# Altium PCB GameBoard_V1I1.PcbDoc (part 2 of 22) (continued)
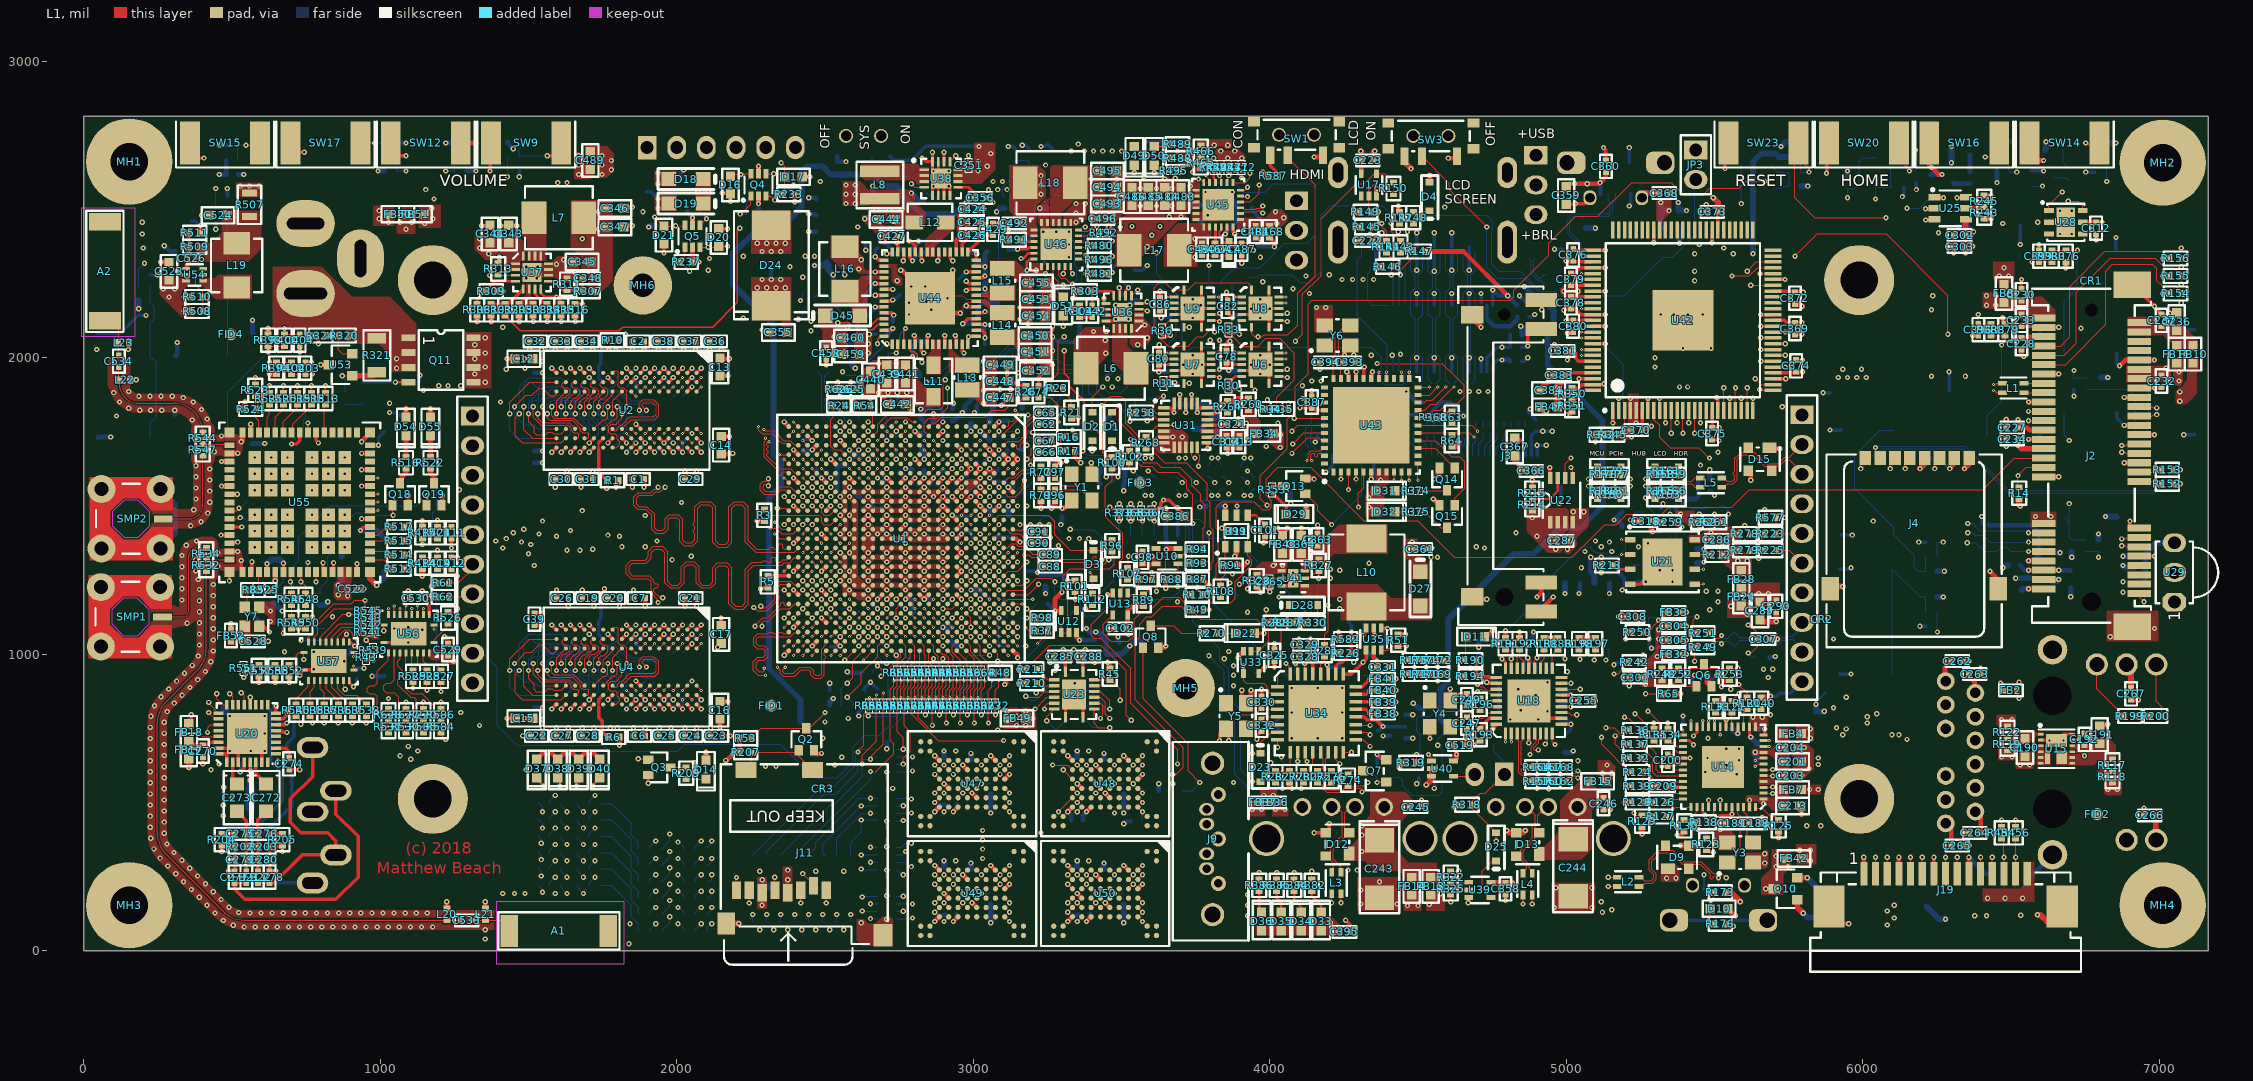
[diagram p0: L1 view]
## Classes and differential pairs (continued)
differential pair USBCh_OTG_L: +USBCh_OTG_L_P -USBCh_OTG_L_N
differential pair USBCh_OTG: +USBCh_OTG_P -USBCh_OTG_N

## Components (designator, comment, footprint, x,y, rotation, side; value= is the part's Value field where it differs from the comment)
A1 "W3006" W3006 1602.36,66.93 r0 top
A2 "W3006" W3006 70.87,2291.34 r90 top
BAT1 "PRT-13855" "LI-ION BAT" 1909.45,2740.16 r0 bottom
C1 "220n" C0402 1870.08,1590.55 r0 top value=220nF
C2 "220n" C0402 1870.08,2055.12 r0 top value=220nF
C3 "220n" C0402 1870.08,2055.12 r0 bottom value=220nF
C4 "220n" C0402 1870.08,1590.55 r0 bottom value=220nF
C5 "100n" C0402 2425.2,1704.72 r270 bottom value=100nF
C6 "220n" C0402 1874.02,724.41 r0 top value=220nF
C7 "220n" C0402 1874.02,1188.98 r0 top value=220nF
C8 "220n" C0402 1874.02,724.41 r0 bottom value=220nF
C9 "220n" C0402 1874.02,1188.98 r0 bottom value=220nF
C10 "100n" C0402 2523.62,673.23 r90 bottom value=100nF
C11 "10u" C0603 2571.64,718.5 r90 bottom value=10µF
C12 "22u" C0603 1484.25,1996.06 r180 top
C13 "22u" C0603 2145.67,1968.5 r90 top
C14 "22u" C0603 2149.61,1704.72 r90 top
C15 "22u" C0603 1484.25,783.46 r180 top
C16 "22u" C0603 2145.67,811.02 r270 top
C17 "22u" C0603 2149.61,1066.93 r270 top
C18 "100n" C0402 2523.62,751.97 r90 bottom value=100nF
C19 "220n" C0402 1700.79,1188.98 r180 top value=220nF
C20 "220n" C0402 1787.4,1188.98 r0 top value=220nF
C21 "220n" C0402 2047.24,1188.98 r0 top value=220nF
C22 "220n" C0402 1527.56,724.41 r180 top value=220nF
C23 "220n" C0402 2133.86,724.41 r0 top value=220nF
C24 "220n" C0402 2047.24,724.41 r0 top value=220nF
C25 "220n" C0402 1960.63,724.41 r0 top value=220nF
C26 "220n" C0402 1614.17,1188.98 r180 top value=220nF
C27 "220n" C0402 1614.17,724.41 r180 top value=220nF
C28 "220n" C0402 1700.79,724.41 r180 top value=220nF
C29 "220n" C0402 2047.24,1590.55 r0 top value=220nF
C30 "220n" C0402 1610.24,1590.55 r180 top value=220nF
C31 "220n" C0402 1696.85,1590.55 r180 top value=220nF
C32 "220n" C0402 1523.62,2055.12 r180 top value=220nF
C33 "220n" C0402 1610.24,2055.12 r180 top value=220nF
C34 "220n" C0402 1696.85,2055.12 r180 top value=220nF
C35 "220n" C0402 1519.69,1968.5 r90 bottom value=220nF
C36 "220n" C0402 2129.92,2055.12 r0 top value=220nF
C37 "220n" C0402 2043.31,2055.12 r0 top value=220nF
C38 "220n" C0402 1956.69,2055.12 r0 top value=220nF
C39 "220n" C0402 1519.69,1118.11 r90 top value=220nF
C40 "220n" C0402 1519.69,799.21 r270 bottom value=220nF
C41 "220n" C0402 1614.17,1188.98 r180 bottom value=220nF
C42 "220n" C0402 1700.79,1188.98 r180 bottom value=220nF
C43 "220n" C0402 2047.24,1188.98 r0 bottom value=220nF
C44 "220n" C0402 2133.86,724.41 r0 bottom value=220nF
C45 "220n" C0402 2047.24,724.41 r0 bottom value=220nF
C46 "220n" C0402 1960.63,724.41 r0 bottom value=220nF
C47 "220n" C0402 1700.79,724.41 r180 bottom value=220nF
C48 "220n" C0402 1614.17,724.41 r180 bottom value=220nF
C49 "220n" C0402 1519.69,1665.35 r270 bottom value=220nF
C50 "220n" C0402 1610.24,2055.12 r180 bottom value=220nF
C51 "220n" C0402 1696.85,2055.12 r180 bottom value=220nF
C52 "220n" C0402 1956.69,2055.12 r0 bottom value=220nF
C53 "220n" C0402 2043.31,2055.12 r0 bottom value=220nF
C54 "220n" C0402 2129.92,2055.12 r0 bottom value=220nF
C55 "220n" C0402 1783.46,1590.55 r0 bottom value=220nF
C56 "220n" C0402 2047.24,1590.55 r0 bottom value=220nF
C57 "220n" C0402 1696.85,1590.55 r180 bottom value=220nF
C58 "220n" C0402 1610.24,1590.55 r180 bottom value=220nF
C59 "220n" C0201 2940.95,1562.99 r270 bottom
C60 "4u7" C0402 3086.61,1866.93 r0 bottom
C61 "220n" C0201 2980.32,1562.99 r270 bottom
C62 "100n" C0402 3244.09,1775.59 r0 top value=100nF
C63 "4u7" C0402 3177.17,1767.72 r90 bottom
C64 "220n" C0201 2992.13,1602.36 r0 bottom
C65 "100n" C0402 3244.09,1814.96 r0 top value=100nF
C66 "100n" C0402 3244.09,1681.1 r0 top value=100nF
C67 "100n" C0402 3244.09,1720.47 r0 top value=100nF
C68 "10u" C0603 3149.61,1468.5 r0 bottom value=10µF
C69 "220n" C0201 3003.94,1562.99 r90 bottom
C70 "220n" C0201 2992.13,1511.81 r180 bottom
C71 "220n" C0201 2992.13,1488.19 r180 bottom
C72 "4u7" C0402 2846.46,1783.46 r180 bottom
C73 "220n" C0201 2814.96,1562.99 r270 bottom
C74 "100n" C0402 3220.47,1885.83 r90 top value=100nF
C75 "4u7" C0402 2846.46,1744.09 r180 bottom
C76 "220n" C0201 2791.34,1562.99 r270 bottom
C77 "10n" C0402 3897.64,1937.01 r270 bottom value=10nF
C78 "100n" C0402 3854.33,2003.94 r90 top value=100nF
C79 "10n" C0402 3653.54,1933.07 r270 bottom value=10nF
C80 "100n" C0402 3625.98,1996.06 r90 top value=100nF
C81 "10n" C0402 3897.64,2122.05 r270 bottom value=10nF
C82 "100n" C0402 3858.27,2173.23 r90 top value=100nF
C83 "4u7" C0402 2618.11,1551.18 r270 bottom
C84 "220n" C0201 2574.8,1625.98 r90 bottom
C85 "10n" C0402 3665.35,2118.11 r270 bottom value=10nF
C86 "100n" C0402 3629.92,2181.1 r90 top value=100nF
C87 "220n" C0201 2996.06,1405.51 r270 bottom
C88 "10n" C0402 3259.84,1295.28 r0 top value=10nF
C89 "10n" C0402 3259.84,1334.65 r0 top value=10nF
C90 "10n" C0402 3220.47,1374.02 r0 top value=10nF
C91 "10n" C0402 3220.47,1413.39 r0 top value=10nF
C92 "4u7" C0402 3244.09,1248.03 r90 bottom
C93 "220n" C0201 2929.13,1425.2 r180 bottom
C94 "18p" C0201 3137.8,1555.12 r90 bottom
C95 "18p" C0201 3118.11,1519.69 r180 bottom
C96 "18p" C0402 3275.59,1535.43 r270 top value=18pF
C97 "18p" C0402 3275.59,1614.17 r90 top value=18pF
C98 "100n" C0402 3570.87,1326.77 r90 top value=100nF
C99 "100n" C0402 3807.09,1500 r180 bottom value=100nF
C100 "100n" C0402 3299.21,1248.03 r90 bottom value=100nF
C101 "100n" C0402 3984.25,1417.32 r270 top value=100nF
C102 "100n" C0402 3496.06,1086.61 r180 top value=100nF
C103 "220n" C0201 2688.98,1318.9 r270 bottom
C104 "220n" C0201 2814.96,1318.9 r270 bottom
C105 "220n" C0201 2877.95,1318.9 r270 bottom
C106 "220n" C0201 2791.34,1318.9 r270 bottom
C107 "220n" C0201 2854.33,1318.9 r270 bottom
C108 "220n" C0201 2917.32,1318.9 r270 bottom
C109 "22u" C0603_SMALL 2929.13,1374.02 r0 bottom locked
C110 "220n" C0201 2854.33,1429.13 r90 bottom
C111 "220n" C0201 2877.95,1429.13 r90 bottom
C112 "220n" C0201 2688.98,1437.01 r90 bottom
C113 "220n" C0201 2803.15,1425.2 r0 bottom
C114 "22u" C0603_SMALL 2826.77,1374.02 r180 bottom
C115 "220n" C0201 2791.34,1515.75 r270 bottom
C116 "220n" C0201 2814.96,1515.75 r270 bottom
C117 "220n" C0201 2688.98,1531.5 r90 bottom
C118 "220n" C0201 2665.35,1531.5 r90 bottom
C119 "22u" C0603_SMALL 2740.16,1547.24 r90 bottom
C120 "220n" C0201 2854.33,1476.38 r90 bottom
C121 "220n" C0201 2877.95,1476.38 r90 bottom
C122 "220n" C0201 2803.15,1480.32 r0 bottom
C123 "220n" C0201 2688.98,1484.25 r90 bottom
C124 "22u" C0603_SMALL 2740.16,1444.88 r270 bottom
C125 "220n" C0201 2625.98,1318.9 r270 bottom
C126 "220n" C0201 2625.98,1433.07 r90 bottom
C127 "220n" C0201 2625.98,1480.32 r270 bottom
C128 "220n" C0201 2665.35,1318.9 r270 bottom
C129 "220n" C0201 2665.35,1437.01 r90 bottom
C130 "220n" C0201 2665.35,1484.25 r270 bottom
C131 "22u" C0603_SMALL 2657.48,1374.02 r0 bottom
C132 "220n" C0201 2854.33,1271.65 r90 bottom
C133 "220n" C0201 2814.96,1271.65 r90 bottom
C134 "220n" C0201 2688.98,1271.65 r270 bottom
C135 "220n" C0201 2625.98,1271.65 r270 bottom
C136 "220n" C0201 2917.32,1271.65 r90 bottom
C137 "220n" C0201 2877.95,1271.65 r90 bottom
C138 "220n" C0201 2791.34,1271.65 r90 bottom
C139 "220n" C0201 2665.35,1271.65 r270 bottom
C140 "22u" C0603_SMALL 2740.16,1342.52 r90 bottom
C141 "22u" C0603_SMALL 2929.13,1066.93 r270 bottom
C142 "22u" C0603_SMALL 3078.74,1185.04 r0 bottom
C143 "220n" C0201 2791.34,1224.41 r270 bottom
C144 "220n" C0201 2814.96,1224.41 r270 bottom
C145 "220n" C0201 2854.33,1224.41 r270 bottom
C146 "220n" C0201 2877.95,1224.41 r270 bottom
C147 "220n" C0201 2917.32,1216.54 r270 bottom
C148 "22u" C0603_SMALL 2740.16,1240.16 r270 bottom
C149 "220n" C0201 2917.32,1562.99 r90 bottom
C150 "22u" C0603 3216.54,1350.39 r180 bottom
C151 "220n" C0201 2803.15,1448.82 r0 bottom
C152 "10n" C0201 2929.13,1488.19 r0 bottom
C153 "220n" C0201 2866.14,1511.81 r180 bottom
C154 "22u" C0603 2992.13,1748.03 r270 bottom
C155 "220n" C0201 2929.13,1448.82 r180 bottom
C156 "220n" C0201 2929.13,1511.81 r0 bottom
C157 "220n" C0201 2740.16,1165.35 r0 bottom
C158 "220n" C0201 2740.16,1614.17 r180 bottom
C159 "220n" C0201 2866.14,1185.04 r0 bottom
C160 "220n" C0201 2803.15,1185.04 r0 bottom
C161 "22u" C0603 3149.61,1279.53 r0 bottom
C162 "22u" C0603 2830.71,1141.73 r0 bottom
C163 "220n" C0201 2854.33,1562.99 r270 bottom
C164 "220n" C0201 3098.43,1582.68 r0 bottom
C165 "22u" C0603 3114.17,1625.98 r0 bottom
C166 "220n" C0201 2657.48,1153.54 r270 bottom
C167 "22u" C0603 3318.9,980.31 r180 bottom
C168 "220n" C0201 2940.95,1216.54 r270 bottom
C169 "220n" C0402 3429.13,1047.24 r180 bottom value=220nF
C170 "220n" C0201 2877.95,1562.99 r270 bottom
C171 "220n" C0201 2688.98,1224.41 r90 bottom
C172 "220n" C0201 2602.36,1318.9 r270 bottom
C173 "220n" C0201 2602.36,1271.65 r270 bottom
C174 "220n" C0201 2582.68,1488.19 r180 bottom
C175 "220n" C0201 2562.99,1216.54 r270 bottom
C176 "220n" C0201 2665.35,1224.41 r90 bottom
C177 "220n" C0201 2940.95,1271.65 r90 bottom
C178 "220n" C0201 2940.95,1318.9 r270 bottom
C179 "220n" C0201 2677.17,1574.8 r180 bottom
C180 "220n" C0201 2551.18,1551.18 r180 bottom
C181 "220n" C0201 2582.68,1448.82 r180 bottom
C182 "220n" C0201 2582.68,1425.2 r180 bottom
C183 "220n" C0201 2578.74,1311.02 r270 bottom
C184 "220n" C0201 2614.17,1236.22 r180 bottom
C185 "22u" C0603_SMALL 2555.12,1374.02 r180 bottom
C186 "22u" C0603_SMALL 2614.17,1169.29 r270 bottom
C187 "220n" C0201 2996.06,1342.52 r90 bottom
C188 "22pF" C0402 5637.8,429.13 r0 top
C189 "22pF" C0402 5559.06,429.13 r180 top
C190 "10u" C0603 6547.24,685.04 r270 top value=10µF
C191 "10u" C0603 6799.21,728.35 r90 top value=10µF
C192 "560pF" C0402 6748.03,712.6 r90 top
C193 "10u" C0603 5622.05,811.02 r0 bottom value=10µF
C194 "100n" C0402 5535.43,661.42 r0 bottom value=100nF
C195 "10n" C0402 5468.5,417.32 r270 bottom value=10nF
C196 "10n" C0402 5622.05,696.85 r180 bottom value=10nF
C197 "10n" C0402 5519.69,728.35 r270 bottom value=10nF
C198 "10n" C0402 5393.7,748.03 r90 bottom value=10nF
C199 "10n" C0402 5394.09,668.9 r270 bottom value=10nF
C200 "10n" C0402 5342.52,641.73 r90 top value=10nF
C201 "10u" C0603 5763.78,637.8 r0 top value=10µF
C202 "100n" C0402 5622.05,641.73 r180 bottom value=100nF
C203 "10n" C0402 5755.91,590.55 r0 top value=10nF
C204 "10n" C0402 5755.91,685.04 r0 top value=10nF
C205 "10u" C0603 5720.47,838.58 r90 bottom value=10µF
C206 "100n" C0402 5515.75,551.18 r90 bottom value=100nF
C207 "10n" C0402 5555.12,551.18 r90 bottom value=10nF
C208 "10u" C0603 5488.19,870.08 r90 bottom value=10µF
C209 "100n" C0402 5326.77,555.12 r180 top value=100nF
C210 "10n" C0402 5559.06,728.35 r270 bottom value=10nF
C211 "10n" C0402 5433.07,551.18 r90 bottom value=10nF
C212 "10n" C0402 5472.44,551.18 r90 bottom value=10nF
C213 "10u" C0603 5763.78,488.19 r0 top value=10µF
C214 "100n" C0402 5633.86,464.57 r270 bottom value=100nF
C215 "10n" C0402 5622.05,748.03 r180 bottom value=10nF
C216 "10n" C0402 5633.86,555.12 r90 bottom value=10nF
C217 "10n" C0402 5594.49,555.12 r90 bottom value=10nF
C218 "100n" C0402 4830.71,1988.19 r0 bottom value=100nF
C219 "100n" C0402 4830.71,2035.43 r0 bottom value=100nF
C220 "100n" C0402 4854.33,2137.8 r0 bottom value=100nF
C221 "100n" C0402 4854.33,2177.17 r0 bottom value=100nF
C222 "100n" C0402 4326.77,2393.7 r180 top value=100nF
C223 "100n" C0402 4330.71,2665.35 r0 top value=100nF
C224 "330u" C2917 6531.5,2322.83 r90 bottom locked
C225 "330u" C2917 6314.96,2322.83 r90 bottom locked
C226 "100n" C0402 6511.81,1299.21 r180 bottom value=100nF
C227 "100n" C0402 6503.94,1763.78 r180 top value=100nF
C228 "100n" C0402 6535.43,2047.24 r270 top value=100nF
C229 "4u7" C0402 6637.8,1263.78 r270 bottom
C230 "4u7" C0402 6535.43,2212.6 r90 top
C231 "4u7" C0402 6535.43,1236.22 r90 bottom
C232 "100n" C0402 7007.87,1921.26 r270 top value=100nF
C233 "100n" C0402 6535.43,2125.98 r270 top value=100nF
C234 "100n" C0402 6503.94,1724.41 r180 top value=100nF
C235 "100n" C0402 6582.68,1236.22 r90 bottom value=100nF
C236 "10u" C0603 7059.06,2122.05 r90 top value=10µF
C237 "100n" C0402 7007.87,2125.98 r90 top value=100nF
C238 "100n" C0402 6614.17,1342.52 r0 bottom value=100nF
C239 "100n" C0402 6244.09,1661.42 r0 bottom value=100nF
C240 "10u" C0603 5618.11,366.14 r90 bottom value=10µF
C241 "100n" C0402 5606.3,279.53 r0 bottom value=100nF
C242 "1u" C0402 4724.41,1047.24 r0 bottom value=1uF
C243 "100u / 10V" C2312 4370.08,275.59 r270 top locked
C244 "100u / 10V" C2312 5023.62,279.53 r270 top locked
C245 "100n" C0402 4492.13,484.25 r0 top value=100nF
C246 "100n" C0402 5125.98,496.06 r270 top value=100nF
C247 "18p" C0402 4665.35,767.72 r270 top value=18pF
C248 "100n" C0402 4842.52,1035.43 r90 bottom value=100nF
C249 "18p" C0402 4665.35,846.46 r90 top value=18pF
C250 "100n" C0402 4956.69,874.02 r180 bottom value=100nF
C251 "4u7" C0402 4956.69,834.65 r0 bottom
C252 "100n" C0402 4858.27,925.2 r270 bottom value=100nF
C253 "4u7" C0402 4897.64,925.2 r90 bottom
C254 "1u" C0402 4687.01,834.65 r180 bottom value=1uF
C255 "1u" C0402 5059.06,842.52 r0 top value=1uF
C256 "100n" C0402 4791.34,807.09 r0 bottom value=100nF
C257 "100n" C0402 4791.34,901.57 r0 bottom value=100nF
C258 "100n" C0402 4956.69,779.53 r180 bottom value=100nF
C259 "100n" C0402 4874.02,759.84 r90 bottom value=100nF
C260 "1u" C0402 4791.34,850.39 r180 bottom value=1uF
C261 "100n" C0402 5102.36,1303.15 r0 bottom value=100nF
C262 "100n" C0402 6318.9,976.38 r180 top value=100nF
C263 "100n" C0402 6377.95,933.07 r180 top value=100nF
C264 "100n" C0402 6377.95,397.64 r0 top value=100nF
C265 "100n" C0402 6318.9,354.33 r180 top value=100nF
C266 "100n" C0402 6968.5,456.69 r180 top value=100nF
C267 "100n" C0402 6905.51,866.14 r270 top value=100nF
C268 "10u" C0603 471.65,789.8 r90 bottom value=10µF
C269 "100n" C0402 583.58,803.31 r270 bottom value=100nF
C270 "100n" C0402 401.57,673.23 r270 top value=100nF
C271 "100n" C0402 583.58,653.7 r90 bottom value=100nF
C272 "220u, 4V" "C1206 -  TLN S CASE TANTAL" 615.08,515.91 r270 top
C273 "220u, 4V" "C1206 -  TLN S CASE TANTAL" 516.65,515.91 r270 top
C274 "100n" C0402 692.91,629.92 r270 top value=100nF
C275 "100n" C0402 528.46,393.86 r180 top value=100nF
C276 "100n" C0402 607.2,393.86 r0 top value=100nF
C277 "270pF" C0402 508.78,248.19 r90 top
C278 "270pF" C0402 626.89,248.19 r90 top
C279 "100pF" C0402 528.46,307.24 r180 top
C280 "100pF" C0402 607.2,307.24 r0 top
C281 "1u" C0402 464.57,374.02 r270 bottom value=1uF
C282 "100n" C0402 551.18,374.02 r270 bottom value=100nF
C283 "270pF" C0402 507.87,248.03 r90 bottom
C284 "100n" C0402 2330.71,212.6 r180 bottom value=100nF
C285 "100n" C0402 3291.34,992.13 r180 top value=100nF
C286 "100n" C0402 5507.87,1385.83 r0 top value=100nF
C287 "100n" C0402 4984.25,1381.89 r180 top value=100nF
C288 "100n" C0402 3389.76,992.13 r0 top value=100nF
C289 "10u" C0603 5653.54,1145.67 r270 top value=10µF
C290 "100n" C0402 5708.66,1161.42 r90 top value=100nF
C297 "100u / 10V" C2312 6194.88,1889.76 r0 bottom
C298 "100n" C0402 5889.76,1862.2 r90 bottom value=100nF
C299 "10uF / 16V" C0805 2051.18,2598.43 r180 bottom
C300 "100n" C0402 2153.54,2598.43 r270 bottom value=100nF
C301 "100n" C0402 5232.28,921.26 r180 top value=100nF
C302 "10n" C0402 6326.77,2413.39 r180 top value=10nF
C303 "1u" C0402 6326.77,2374.02 r0 top value=1uF
C304 "4u7" C0402 5362.2,1094.49 r0 top
C305 "100n" C0402 5362.2,1047.24 r180 top value=100nF
C306 "100pF" C0402 5685.04,1011.81 r270 bottom
C307 "10n" C0402 5665.35,1051.18 r0 top value=10nF
C308 "100n" C0402 5224.41,1125.98 r0 top value=100nF
C309 "100pF" C0402 5685.04,1090.55 r90 bottom
C310 "100n" C0402 6933.07,1330.71 r180 bottom value=100nF
C311 "1u" C0402 6933.07,1291.34 r180 bottom value=1uF
C312 "100n" C0402 6787.4,2437.01 r270 top value=100nF
C313 "1u" C0402 3897.64,1716.54 r270 top value=1uF
C314 "100n" C0402 3854.33,1716.54 r270 top value=100nF
C315 "4u7" C0402 5421.26,1307.09 r0 bottom
C316 "100n" C0402 5421.26,1354.33 r0 bottom value=100nF
C317 "100n" C0402 5216.54,1244.09 r0 bottom value=100nF
C318 "100n" C0402 5267.72,1448.82 r180 top value=100nF
C319 "100n" C0402 3822.83,1775.59 r270 bottom value=100nF
C320 "4u7" C0402 5358.27,1334.65 r270 bottom
C321 "100n" C0402 3874.02,1775.59 r0 top value=100nF
C322 "220n" C0402 5267.72,1448.82 r90 bottom value=220nF
C323 "100n" C0402 5208.66,1429.13 r180 bottom value=100nF
C324 "100n" C0402 5464.57,1551.18 r0 bottom value=100nF
C325 "100n" C0402 4015.75,996.06 r90 top value=100nF
C326 "100n" C0402 4051.18,744.09 r0 bottom value=100nF
C327 "10n" C0402 4051.18,783.46 r0 bottom value=10nF
C328 "100n" C0402 4118.11,992.13 r180 top value=100nF
C329 "10n" C0402 4118.11,1031.5 r180 top value=10nF
C330 "18p" C0402 3972.44,838.58 r270 top value=18pF
C331 "100n" C0402 4381.89,956.69 r0 top value=100nF
C332 "18p" C0402 3972.44,759.84 r90 top value=18pF
C333 "22pF" C0402 4381.89,799.21 r180 bottom
C334 "22pF" C0402 4381.89,838.58 r180 bottom
C335 "22pF" C0402 4381.89,877.95 r180 bottom
C336 "22pF" C0402 4381.89,917.32 r180 bottom
C337 "22u" C0603 3523.62,2070.87 r180 bottom
C338 "22u" C0603 3555.12,2161.42 r90 bottom
C339 "22u" C0603 3385.83,2003.94 r180 bottom
C340 "22u" C0603 3385.83,2059.06 r180 bottom
C341 "22pF" C0402 3448.82,2137.8 r270 bottom
C342 "220pF" C0402 3401.57,2157.48 r90 top
C343 "22u" C0603 1433.07,2417.32 r90 top
C344 "22u" C0603 1370.08,2417.32 r90 top
C345 "22u" C0603 1681.1,2322.83 r180 top
C346 "22u" C0603 1791.34,2503.94 r0 top
C347 "22u" C0603 1791.34,2440.94 r0 top
C348 "22pF" C0402 1700.79,2267.72 r0 top
C349 "220pF" C0402 1633.86,2181.1 r180 bottom
C350 "10u" C0603 2921.26,2606.3 r180 bottom value=10µF
C351 "100n" C0201 2984.25,2649.61 r90 top
C352 "22u / 10V" C0603 2500,2535.43 r180 bottom
C353 "22u / 10V" C0603 2500,2425.2 r180 bottom
C354 "22u / 10V" C0603 2500,2480.31 r180 bottom
C355 "22u" C0603 2342.52,2085.08 r180 top
C356 "3.3n" C0402 3023.62,2539.37 r180 top
C357 "100u / 10V" C2312 6125.98,149.61 r0 bottom
C358 "100n" C0402 4795.28,208.66 r90 top value=100nF
C359 "10u" C0603 5000,2547.24 r270 top value=10µF
C360 "100n" C0402 5133.86,2645.67 r90 top value=100nF
C361 "1u" C0402 4507.87,1354.33 r0 top value=1uF
C362 "1u" C0402 4897.64,1771.65 r90 bottom value=1uF
C363 "100n" C0402 4161.42,1385.83 r90 top value=100nF
C364 "10u" C0603 4106.3,1370.08 r90 top value=10µF
C365 "220n" C0201 4000,1244.09 r270 top
C366 "100n" C0402 4881.89,1618.11 r0 top value=100nF
C367 "10u" C0603 4826.77,1698.82 r90 top value=10µF
C368 "100n" C0402 5330.71,2555.12 r180 top value=100nF
C369 "100n" C0402 5771.65,2098.43 r270 top value=100nF
C370 "100n" C0402 5236.22,1755.91 r180 top value=100nF
C371 "10u" C0603 5350.39,2437.01 r0 bottom value=10µF
C372 "100n" C0402 5771.65,2200.79 r270 top value=100nF
C373 "100n" C0402 5492.13,2492.13 r180 top value=100nF
C374 "100n" C0402 5775.59,1972.44 r90 top value=100nF
C375 "100n" C0402 5492.13,1744.09 r270 top value=100nF
C376 "100n" C0402 5023.62,2346.46 r90 top locked value=100nF
C377 "10u" C0603 5496.06,2342.52 r180 bottom value=10µF
C378 "100n" C0402 5015.75,2185.04 r270 top value=100nF
C379 "100n" C0402 5015.75,2263.78 r90 top value=100nF
C380 "100n" C0402 5023.62,2106.3 r270 top value=100nF
C381 "100n" C0402 4988.19,2022.64 r180 top value=100nF
C382 "10u" C0603 5330.71,2023.62 r90 bottom value=10µF
C383 "100n" C0402 4976.38,1940.94 r180 top value=100nF
C384 "10u" C0603 4940.94,1889.76 r180 top value=10µF
C385 "100n" C0402 3669.29,1472.44 r180 bottom value=100nF
C386 "10u" C0603 3681.1,1465.55 r180 top value=10µF
C387 "100n" C0402 4141.73,1850.39 r90 top value=100nF
C388 "100n" C0402 4299.21,1866.14 r270 bottom value=100nF
C389 "100n" C0402 4259.84,1866.14 r270 bottom value=100nF
C390 "100n" C0402 4377.95,1866.14 r270 bottom value=100nF
C391 "100n" C0402 4338.58,1866.14 r270 bottom value=100nF
C392 "10u" C0603 4425.2,1850.39 r270 bottom value=10µF
C393 "18p" C0402 4267.72,1984.25 r180 top value=18pF
C394 "18p" C0402 4188.98,1984.25 r0 top value=18pF
C395 "100n" C0402 4251.97,62.99 r0 top value=100nF
C396 "100n" C0402 6389.76,2094.49 r270 top value=100nF
C397 "100n" C0402 6712.6,1913.39 r270 bottom value=100nF
C398 "100n" C0402 6795.28,1366.14 r90 bottom value=100nF
C399 "100n" C0402 6594.49,2342.52 r90 top value=100nF
C400 "100n" C0402 1448.82,2629.92 r0 bottom value=100nF
C401 "100n" C0402 1271.65,2629.92 r0 bottom value=100nF
C402 "100n" C0402 204.72,2283.46 r0 bottom value=100nF
C403 "100n" C0402 748.03,1964.57 r90 top value=100nF
C404 "100n" C0402 728.35,2059.06 r270 top value=100nF
C405 "100n" C0402 464.57,2547.24 r0 bottom value=100nF
C406 "100n" C0402 6472.44,2629.92 r180 bottom value=100nF
C407 "100n" C0402 6803.15,2625.98 r180 bottom value=100nF
C408 "100n" C0402 1035.43,2629.92 r180 bottom value=100nF
C409 "100n" C0402 500,2618.11 r0 bottom value=100nF
C410 "100n" C0402 6118.11,2574.8 r0 bottom value=100nF
C411 "100n" C0402 1240.16,1409.45 r270 top value=100nF
C412 "100n" C0402 1240.16,1307.09 r90 top value=100nF
C413 "100n" C0402 5771.65,2578.74 r0 bottom value=100nF
C414 "100n" C0402 6232.28,1377.95 r180 bottom value=100nF
C415 "100n" C0402 6232.28,1094.49 r180 bottom value=100nF
C416 "1u" C0402 3015.75,2090.55 r180 bottom value=1uF
C417 "1u" C0402 2988.19,2314.96 r180 bottom value=1uF
C418 "2u2" C0402 3019.68,2043.31 r180 bottom
C419 "4u7" C0402 2996.06,2137.8 r180 bottom
C420 "1u" C0402 2858.27,2283.46 r270 bottom value=1uF
C421 "2u2" C0402 2933.07,2263.78 r180 bottom
C422 "4u7" C0402 2972.44,2354.33 r180 bottom
C423 "2u2" C0402 2834.65,2374.02 r90 bottom
C424 "1u" C0402 2996.06,2500 r0 top value=1uF
C425 "1u" C0402 2996.06,2456.69 r0 top value=1uF
C426 "100n" C0402 2996.06,2413.39 r0 top value=100nF
C427 "2u2" C0402 2724.41,2409.45 r180 top
C428 "100n" C0402 2775.59,2366.14 r0 bottom value=100nF
C429 "100n" C0402 3066.93,2433.07 r90 top value=100nF
C430 "470nF" C0402 2696.85,2374.02 r0 bottom
C431 "4u7" C0402 2893.7,2354.33 r0 bottom
C432 "100n" C0402 2846.46,2118.11 r90 bottom value=100nF
C433 "100n" C0402 2818.9,2283.46 r270 bottom value=100nF
C434 "4u7" C0402 2858.27,2051.18 r180 bottom
C435 "4u7" C0402 2807.09,2118.11 r90 bottom
C436 "100n" C0402 2779.53,2283.46 r270 bottom value=100nF
C437 "100n" C0402 2885.83,2118.11 r90 bottom value=100nF
C438 "4u7" C0402 2854.33,2212.6 r180 bottom
C439 "22u" C0603 2708.66,1944.88 r90 top
C440 "22u" C0603 2653.54,1925.2 r90 top
C441 "22u" C0603 2771.65,1944.88 r90 top
C442 "22u" C0603 2744.09,1842.52 r0 top
C443 "22u" C0603 2751.97,2448.82 r270 bottom
C444 "22u" C0603 2706.5,2466.34 r180 top
C445 "22u" C0603 2688.98,2543.31 r180 bottom locked
C446 "22u" C0603 2692.91,2448.82 r270 bottom
C447 "22u" C0603 3090.55,1866.14 r0 top locked
C448 "22u" C0603 3090.55,1921.26 r0 top locked
C449 "22u" C0603 3090.55,1976.38 r0 top
C450 "22u" C0603 3208.66,2074.8 r0 top
C451 "22u" C0603 3208.66,2019.68 r0 top
C452 "22u" C0603 3212.6,1956.69 r0 top
C453 "22u" C0603 3212.6,2196.85 r0 top
C454 "22u" C0603 3212.6,2141.73 r0 top
C455 "22u" C0603 3212.6,2251.97 r0 top
C456 "10uF / 16V" C0805 2543.31,2321.85 r180 bottom
C457 "100n" C0402 2618.11,2381.89 r0 bottom value=100nF
C458 "10n" C0402 2503.94,2015.75 r270 top value=10nF
C459 "22u / 10V" C0603 2586.61,2011.81 r0 top
C460 "22u / 10V" C0603 2586.61,2066.93 r0 top
C461 "4u7" C0402 3019.69,2212.6 r0 bottom
C462 "100n" C0402 2712.6,2287.4 r0 bottom value=100nF
C463 "100n" C0402 2933.07,2177.17 r180 bottom value=100nF
C464 "4u7" C0402 3019.69,2251.97 r0 bottom
C465 "4u7" C0402 2940.94,2051.18 r0 bottom
C466 "100n" C0402 2929.13,2118.11 r90 bottom value=100nF
C467 "100n" C0402 2933.07,2220.47 r180 bottom value=100nF
C468 "2u2" C0402 2712.6,2326.77 r0 bottom
C469 "1u" C0402 2771.65,2212.6 r0 bottom value=1uF
C470 "10uF / 16V" C0805 2598.43,2204.72 r180 bottom
C471 "1u" C0402 2716.54,2169.29 r0 bottom value=1uF
C472 "220n" C0402 2748.03,2122.05 r0 bottom value=220nF
C473 "1u" C0402 2696.85,2228.35 r90 bottom value=1uF
C474 "100n" C0402 2692.91,2078.74 r180 bottom value=100nF
C475 "10u" C0603 6507.87,125.98 r270 bottom value=10µF
C476 "100n" C0402 6555.12,141.73 r270 bottom value=100nF
C477 "10n" C0402 3870.08,2515.75 r180 bottom value=10nF
C478 "22u / 10V" C0603 3700.79,2543.31 r90 bottom
C479 "10u" C0603 3763.78,2484.25 r270 bottom value=10µF
C480 "0.047u" C0402 3771.65,2366.14 r90 top
C481 "10n" C0402 3952.76,2425.2 r270 top value=10nF
C482 "1u" C0402 3984.25,2433.07 r270 bottom value=1uF
C483 "10u" C0603 3700.79,2543.31 r90 top value=10µF
C484 "10u" C0603 3645.67,2543.31 r90 top value=10µF
C485 "10u" C0603 3590.55,2543.31 r90 top value=10µF
C486 "10u" C0603 3535.43,2543.31 r90 top value=10µF
C487 "4u7" C0402 3905.51,2366.14 r270 top
C488 "10u" C0603 3531.5,2413.39 r180 bottom value=10µF
C489 "10u" C0603 1708.66,2665.35 r270 top value=10µF
C490 "10n" C0402 3220.47,2318.9 r0 bottom value=10nF
C491 "1u" C0402 3220.47,2358.27 r0 bottom value=1uF
C492 "0.047u" C0402 3137.8,2452.76 r0 top
C493 "10u" C0603 3452.76,2519.69 r0 top value=10µF
C494 "10u" C0603 3452.76,2574.8 r0 top value=10µF
C495 "10u" C0603 3452.76,2629.92 r0 top value=10µF
C496 "10n" C0402 3437.01,2468.5 r0 top value=10nF
C497 "4u7" C0402 3220.47,2397.64 r0 bottom
C498 "10u" C0603 3279.53,2503.94 r180 bottom value=10µF
C499 "100n" C0402 2933.07,551.18 r270 bottom value=100nF
C500 "100n" C0402 2925.2,492.13 r180 bottom value=100nF
C501 "100n" C0402 2921.26,653.54 r180 bottom value=100nF
C502 "100n" C0402 3011.81,645.67 r180 bottom value=100nF
C503 "4u7" C0402 2992.13,578.74 r270 bottom
C504 "100n" C0402 3350.39,440.94 r180 bottom value=100nF
C505 "100n" C0402 3460.63,645.67 r180 bottom value=100nF
C506 "100n" C0402 3370.08,649.61 r180 bottom value=100nF
C507 "100n" C0402 3381.89,551.18 r270 bottom value=100nF
C508 "4u7" C0402 3440.94,578.74 r270 bottom
C509 "100n" C0402 3011.81,275.59 r180 bottom value=100nF
C510 "100n" C0402 2921.26,283.46 r180 bottom value=100nF
C511 "100n" C0402 2925.2,122.05 r180 bottom value=100nF
C512 "100n" C0402 2933.07,181.1 r270 bottom value=100nF
C513 "4u7" C0402 2992.13,208.66 r270 bottom
C514 "100n" C0402 3460.63,275.59 r180 bottom value=100nF
C515 "100n" C0402 3370.08,279.53 r180 bottom value=100nF
C516 "100n" C0402 3374.02,122.05 r180 bottom value=100nF
C517 "100n" C0402 3381.89,181.1 r270 bottom value=100nF
C518 "4u7" C0402 3440.94,208.66 r270 bottom
C519 "100n" C0402 4641.73,692.91 r180 top value=100nF
C520 "100n" C0402 4641.73,692.91 r180 bottom value=100nF
C521 "100n" C0402 4405.51,704.72 r270 bottom value=100nF
C522 "100n" C0201 905.51,1220.47 r180 top
C523 "10u" C0603 287.4,2291.34 r90 top value=10µF
C524 "10u" C0603 452.76,2480.31 r180 top value=10µF
C525 "10u" C0603 870.08,1299.21 r270 bottom value=10µF
C526 "6.8pF" C0201 364.76,2334.65 r180 top